# Allegro board pc065b_toplevel_06.brd (continued)
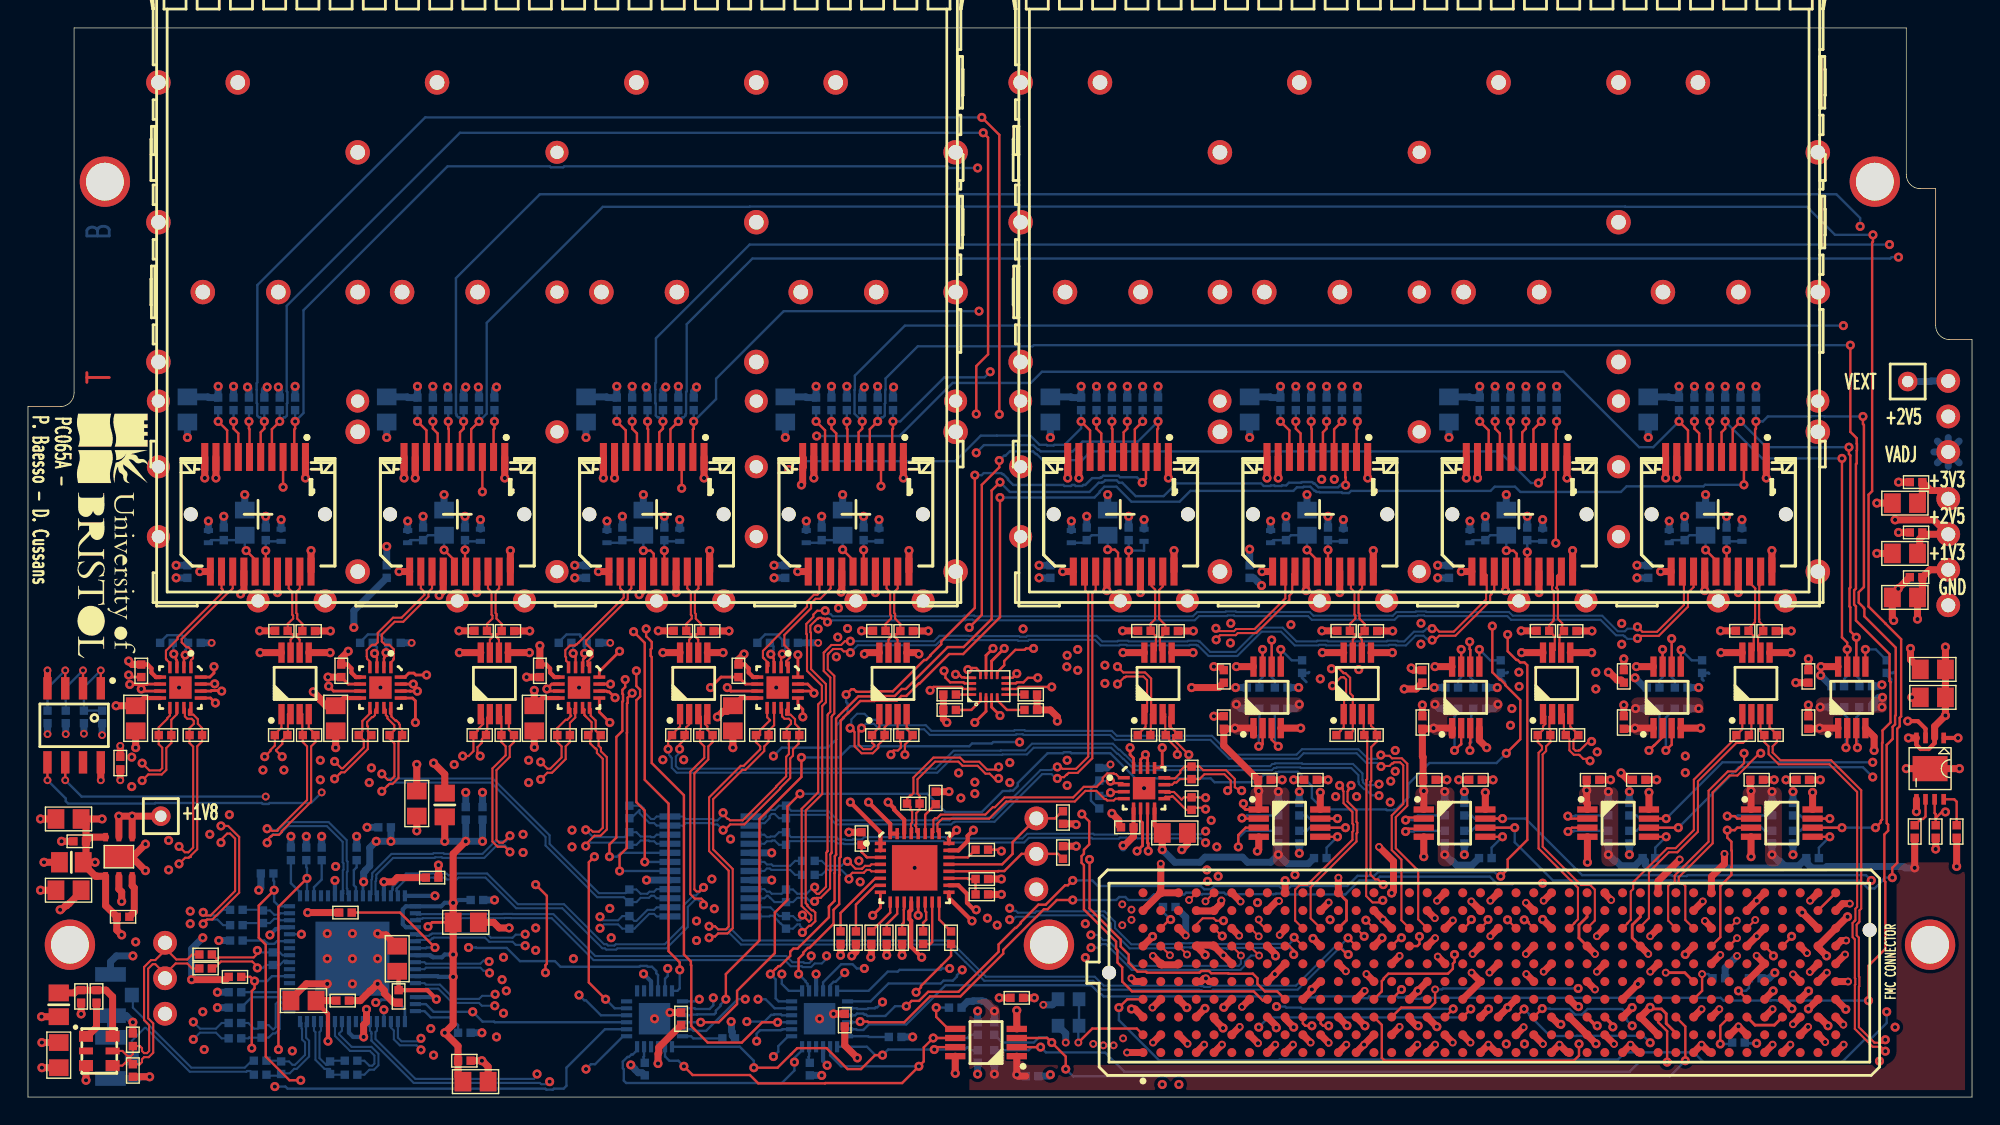
[diagram p0: board, top side]
## Nets (continued)
GND: C1.1 C2.1 C3.1 C4.1 C5.1 C6.1 C7.1 C8.1 C9.1 C10.1 C11.1 C12.1 C13.1 C14.1 C15.1 C16.1 C17.1 C18.1 C19.1 C20.1 C31.1 C32.1 C33.1 C34.1 C35.1 C36.1 C37.1 C38.1 C39.1 C40.1 C41.1 C42.1 C43.1 C44.1 C45.1 C46.1 C47.1 C48.1 C49.1 C50.1 C51.1 C52.1 C53.1 C54.1 C57.2(B<0>) C59.1 C60.1 C61.1 C62.1 C63.1 C64.1 C65.1 C66.1 C67.1 C68.1 C69.1 C70.1 C71.1 C72.1 C73.1 C74.1 C75.1 C76.1 C77.1 C78.1 C79.1 C80.1 C81.1 C82.1 C83.1 C84.1 C85.1 C86.1 C87.1 C88.1 C89.1 C90.1 C91.1 C92.1 C93.1 C94.1 C95.1 C96.1 C97.1 C98.1 C99.1 C100.1 C101.1 C102.1 C103.1 C104.1 C105.1 C106.1 C107.1 C108.1 C109.1 C110.1 C111.1 C112.2(B<0>) IC1.4(VSS) IC3.65 IC4.6 IC4.7 IC4.14 IC4.15 IC4.17 IC5.6 IC5.7 IC5.14 IC5.15 IC5.17 IC6.6 IC6.7 IC6.14 IC6.15 IC6.17 IC7.6 IC7.7 IC7.14 IC7.15 IC7.17 IC8.17 IC9.8 IC9.13 IC9.17 IC9.23 IC9.30 IC9.33 IC10.9 IC10.25 IC11.4 IC12.4 IC13.6 IC13.7 IC13.14 IC13.15 IC13.17 IC14.4 IC15.4 IC16.4 IC17.4 IC18.4 IC19.4 IC20.4 IC21.10 IC21.11 IC23.9 IC23.25 J1.1 J3.A1 J3.A4 J3.A5 J3.A8 J3.A9 J3.A12 J3.A13 J3.A16 J3.A17 J3.A20 J3.A21 J3.A24 J3.A25 J3.A28 J3.A29 J3.A32 J3.A33 J3.A36 J3.A37 J3.A40 J3.B2 J3.B3 J3.B6 J3.B7 J3.B10 J3.B11 J3.B14 J3.B15 J3.B18 J3.B19 J3.B22 J3.B23 J3.B26 J3.B27 J3.B30 J3.B31 J3.B34 J3.B35 J3.B38 J3.B39 J3.C1 J3.C4 J3.C5 J3.C8 J3.C9 J3.C12 J3.C13 J3.C16 J3.C17 J3.C20 J3.C21 J3.C24 J3.C25 J3.C28 J3.C29 J3.C32 J3.C33 J3.C36 J3.C38 J3.C40 J3.D2 J3.D3 J3.D6 J3.D7 J3.D10 J3.D13 J3.D16 J3.D19 J3.D22 J3.D25 J3.D28 J3.D37 J3.D39 J3.E1 J3.E4 J3.E5 J3.E8 J3.E11 J3.E14 J3.E17 J3.E20 J3.E23 J3.E26 J3.E29 J3.E32 J3.E35 J3.E38 J3.E40 J3.F2 J3.F3 J3.F6 J3.F9 J3.F12 J3.F15 J3.F18 J3.F21 J3.F24 J3.F27 J3.F30 J3.F33 J3.F36 J3.F39 J3.G1 J3.G4 J3.G5 J3.G8 J3.G11 J3.G14 J3.G17 J3.G20 J3.G23 J3.G26 J3.G29 J3.G32 J3.G35 J3.G38 J3.G40 J3.H3 J3.H6 J3.H9 J3.H12 J3.H15 J3.H18 J3.H21 J3.H24 J3.H27 J3.H30 J3.H33 J3.H36 J3.H39 J3.J1 J3.J4 J3.J5 J3.J8 J3.J11 J3.J14 J3.J17 J3.J20 J3.J23 J3.J26 J3.J29 J3.J32 J3.J35 J3.J38 J3.J40 J3.K2 J3.K3 J3.K6 J3.K9(K<9>) J3.K12 J3.K15 J3.K18 J3.K21 J3.K24 J3.K27 J3.K30 J3.K33 J3.K36 J3.K39 J5.1 J7.1 J7.9 J7.10 J7.11 J7.14 J7.17 J7.20(VEET3) J12.1 J12.9 J12.10 J12.11 J12.14 J12.17 J12.20(VEET3) J16.1 J16.9 J16.10 J16.11 J16.14 J16.17 J16.20(VEET3) J20.1 J20.9 J20.10 J20.11 J20.14 J20.17 J20.20(VEET3) J24.1 J24.9 J24.10 J24.11 J24.14 J24.17 J24.20(VEET3) J28.1 J28.9 J28.10 J28.11 J28.14 J28.17 J28.20(VEET3) J32.1 J32.9 J32.10 J32.11 J32.14 J32.17 J32.20(VEET3) J36.1 J36.9 J36.10 J36.11 J36.14 J36.17 J36.20(VEET3) J40.1 PX1.2 PX1.3 PX2.2 PX2.3 QZ1.3 R4.1 R5.1 R10.1 R11.1 R12.1 R18.1 R19.1 R20.1 R21.1 R30.1 R31.1 R32.1 R58.1 R83.1 R85.1 R86.1 R87.1 R88.1 R90.2(B<0>) R177.1 R179.1 R181.1 R184.1 R185.1 R202.2(B<0>) R203.2(B<0>) R204.2(B<0>) SFP1.1 SFP1.2 SFP1.3 SFP1.4 SFP1.5 SFP1.6 SFP1.7 SFP1.8 SFP1.9 SFP1.10 SFP1.11 SFP1.12 SFP1.13 SFP1.14 SFP1.15 SFP1.16 SFP1.17 SFP1.18 SFP1.19 SFP1.20 SFP1.21 SFP1.22 SFP1.23 SFP1.24 SFP1.25 SFP1.26 SFP1.27 SFP1.28 SFP1.29 SFP1.30 SFP1.31 SFP1.32 SFP1.33 SFP1.34 SFP1.35 SFP1.36 SFP1.37 SFP1.38 SFP1.39 SFP1.40 SFP1.41 SFP1.42 SFP1.43 SFP1.44 SFP1.45 SFP1.46 SFP2.1 SFP2.2 SFP2.3 SFP2.4 SFP2.5 SFP2.6 SFP2.7 SFP2.8 SFP2.9 SFP2.10 SFP2.11 SFP2.12 SFP2.13 SFP2.14 SFP2.15 SFP2.16 SFP2.17 SFP2.18 SFP2.19 SFP2.20 SFP2.21 SFP2.22 SFP2.23 SFP2.24 SFP2.25 SFP2.26 SFP2.27 SFP2.28 SFP2.29 SFP2.30 SFP2.31 SFP2.32 SFP2.33 SFP2.34 SFP2.35 SFP2.36 SFP2.37 SFP2.38 SFP2.39 SFP2.40 SFP2.41 SFP2.42 SFP2.43 SFP2.44 SFP2.45 SFP2.46 U2.2 U2.7 U3.5 U4.5 U5.5 U6.5 U7.5 U8.5 U9.5 U10.5 U11.3 U11.9
P1V3: C36.2(B<0>) C37.2(B<0>) C99.2(B<0>) C100.2(B<0>) J40.2 R22.2(B<0>) R23.2(B<0>) R34.2(B<0>) R35.2(B<0>) R42.2(B<0>) R43.2(B<0>) R50.2(B<0>) R51.2(B<0>) R99.2(B<0>) R100.2(B<0>) R107.2(B<0>) R108.2(B<0>) R115.2(B<0>) R116.2(B<0>) R123.2(B<0>) R124.2(B<0>) U11.2 U11.4(VTTSEN)
P1V8A: C16.2(B<0>) C18.2(B<0>) C19.2(B<0>) C20.2(B<0>) IC3.32 IC3.46 IC3.60 TP1.1(A<0>) U2.4 U2.5(SNS)
P2V5: C38.2(B<0>) C39.2(B<0>) C79.2(B<0>) C81.2(B<0>) C83.2(B<0>) C85.2(B<0>) C87.2(B<0>) C89.2(B<0>) C91.2(B<0>) C93.2(B<0>) C95.2(B<0>) C102.2(B<0>) C103.2(B<0>) C104.2(B<0>) C105.2(B<0>) C106.2(B<0>) C107.2(B<0>) C108.2(B<0>) C109.2(B<0>) C110.2(B<0>) C111.2(B<0>) C113.2(B<0>) C114.2(B<0>) C115.2(B<0>) C116.2(B<0>) C117.2(B<0>) IC4.5 IC4.8 IC4.13 IC4.16 IC5.5 IC5.8 IC5.13 IC5.16 IC6.5 IC6.8 IC6.13 IC6.16 IC7.5 IC7.8 IC7.13 IC7.16 IC11.1 IC12.1 IC13.5 IC13.8 IC13.13 IC13.16 IC14.1 IC15.1 IC16.1 IC17.1 IC18.1 IC19.1 IC20.1 IC21.3 J39.2 J40.3 R131.2(B<0>) R132.2(B<0>) R133.1 R136.2(B<0>) R137.2(B<0>) R138.1 R141.2(B<0>) R142.2(B<0>) R143.1 R146.2(B<0>) R147.2(B<0>) R148.1 R151.2(B<0>) R152.2(B<0>) R153.1 R156.2(B<0>) R157.2(B<0>) R158.1 R161.2(B<0>) R162.2(B<0>) R163.1 R166.2(B<0>) R167.2(B<0>) R168.1 R171.2(B<0>) R172.2(B<0>) R173.1 R183.1
P3V3: C1.2(B<0>) C2.2(B<0>) C3.2(B<0>) C4.2(B<0>) C6.2(B<0>) C31.2(B<0>) C32.2(B<0>) C40.2(B<0>) C41.2(B<0>) C45.2(B<0>) C46.2(B<0>) C50.2(B<0>) C51.2(B<0>) C59.2(B<0>) C60.2(B<0>) C64.2(B<0>) C65.2(B<0>) C69.2(B<0>) C70.2(B<0>) C74.2(B<0>) C75.2(B<0>) C80.2(B<0>) C82.2(B<0>) C84.2(B<0>) C86.2(B<0>) C88.2(B<0>) C90.2(B<0>) C92.2(B<0>) C94.2(B<0>) C96.2(B<0>) C97.2(B<0>) C98.2(B<0>) C112.1 IC1.8 IC8.5 IC8.20 IC9.1 IC9.2 IC9.12 IC9.18 IC9.24 IC9.31 IC9.32 IC10.21 IC11.8(VCCB) IC12.8(VCCB) IC14.8(VCCB) IC15.8(VCCB) IC16.8(VCCB) IC17.8(VCCB) IC18.8(VCCB) IC19.8(VCCB) IC20.8(VCCB) IC21.2 IC23.21 J3.C39 J3.D36 J3.D38 J3.D40 J40.4(A<3>) L1.1 L2.1 L3.1 L4.1 L5.2(B<0>) L6.1 L7.2(B<0>) L8.1 L9.2(B<0>) L10.1 L11.2(B<0>) L12.1 L13.2(B<0>) L14.1 L15.2(B<0>) L16.1 L17.2(B<0>) L18.1 L19.2(B<0>) R24.1 R25.1 R26.2(B<0>) R27.2(B<0>) R28.2(B<0>) R29.2(B<0>) R33.1 R36.1 R37.1 R38.2(B<0>) R39.2(B<0>) R40.2(B<0>) R41.2(B<0>) R44.1 R45.1 R46.2(B<0>) R47.2(B<0>) R48.2(B<0>) R49.2(B<0>) R52.1 R53.1 R54.2(B<0>) R55.2(B<0>) R56.2(B<0>) R57.2(B<0>) R66.2(B<0>) R82.1 R84.1 R93.2(B<0>) R94.2(B<0>) R101.1 R102.1 R103.2(B<0>) R104.2(B<0>) R105.2(B<0>) R106.2(B<0>) R109.1 R110.1 R111.2(B<0>) R112.2(B<0>) R113.2(B<0>) R114.2(B<0>) R117.1 R118.1 R119.2(B<0>) R120.2(B<0>) R121.2(B<0>) R122.2(B<0>) R125.1 R126.1 R127.2(B<0>) R128.2(B<0>) R129.2(B<0>) R130.2(B<0>) R134.2(B<0>) R135.2(B<0>) R139.2(B<0>) R140.2(B<0>) R144.2(B<0>) R145.2(B<0>) R149.2(B<0>) R150.2(B<0>) R154.2(B<0>) R155.2(B<0>) R159.2(B<0>) R160.2(B<0>) R164.2(B<0>) R165.2(B<0>) R169.2(B<0>) R170.2(B<0>) R174.2(B<0>) R175.2(B<0>) R176.2(B<0>) R178.2(B<0>) R180.1 R182.1 R201.2(B<0>) U3.8 U4.8 U5.8 U6.8 U7.8 U8.8 U9.8 U10.8 U11.1 U11.5
P3V3A: C5.2(B<0>) C8.2(B<0>) IC3.13 L1.2(B<0>) R2.1 R6.1 R7.1 R8.1 R9.1 U2.1 U2.6
P3V3AUX: J3.D32 R66.1
P3V3B: C7.2(B<0>) C9.2(B<0>) C11.2(B<0>) C12.2(B<0>) C13.2(B<0>) C14.2(B<0>) C15.2(B<0>) C17.2(B<0>) IC3.22 IC3.26 IC3.29 IC3.33 IC3.36 IC3.40 IC3.43 IC3.49 IC3.52 IC3.57 L2.2(B<0>)
P3V3C: C10.2(B<0>) L3.2(B<0>) QZ1.6 R3.1
P12V: J3.C35 J3.C37
CDR_CLK_N: IC9.25 IC13.4
CDR_CLK_P: IC9.26 IC13.1
CDR_D_N: IC9.28 J3.G7 R92.2(B<0>)
CDR_D_P: IC9.29 J3.G6 R92.1
CDR_IN_N: C55.2(B<0>) IC9.5
CDR_IN_P: C56.2(B<0>) IC9.4
CDR_LOL: IC23.4 R91.2(B<0>)
CDR_LOS: IC23.5 R89.1
CLK_BIDIR_N<1>: J3.J3
CLK_BIDIR_P<1>: J3.J2
CLK_DIR: J3.B1 R33.2(B<0>) R58.2(B<0>)
CLK_IN_N<0>: C22.2(B<0>) PX2.1(A)
CLK_IN_N<1>: C24.2(B<0>) J3.K5
CLK_IN_N<2>: C26.2(B<0>) IC13.9 R98.1
CLK_IN_N<3>: C28.2(B<0>) IC3.58
CLK_IN_P<0>: C21.2(B<0>) PX1.1(A)
CLK_IN_P<1>: C23.2(B<0>) J3.K4
CLK_IN_P<2>: C25.2(B<0>) IC13.10 R98.2(B<0>)
CLK_IN_P<3>: C27.2(B<0>) IC3.59
CLK_INTR_B: IC3.12 IC23.2
CLK_LOL_B: IC3.47 IC23.3
CLK_MAIN_N<0>: IC3.23 R186.2(B<0>) U3.4
CLK_MAIN_N<1>: IC3.27 R188.2(B<0>) U4.4
CLK_MAIN_N<2>: IC3.30 R190.2(B<0>) U5.4
CLK_MAIN_N<3>: IC3.34 R192.2(B<0>) U6.4
CLK_MAIN_N<4>: IC3.37 R200.2(B<0>) U10.4
CLK_MAIN_N<5>: IC3.41 R198.2(B<0>) U9.4
CLK_MAIN_N<6>: IC3.44 R196.2(B<0>) U8.4
CLK_MAIN_N<7>: IC3.50 R194.2(B<0>) U7.4
CLK_MAIN_N<8>: IC3.53 J3.G3
CLK_MAIN_P<0>: IC3.24 R186.1 U3.3
CLK_MAIN_P<1>: IC3.28 R188.1 U4.3
CLK_MAIN_P<2>: IC3.31 R190.1 U5.3
CLK_MAIN_P<3>: IC3.35 R192.1 U6.3
CLK_MAIN_P<4>: IC3.38 R200.1 U10.3
CLK_MAIN_P<5>: IC3.42 R198.1 U9.3
CLK_MAIN_P<6>: IC3.45 R196.1 U8.3
CLK_MAIN_P<7>: IC3.51 R194.1 U7.3
CLK_MAIN_P<8>: IC3.54 J3.G2
CLK_RST_B: IC3.6 IC23.1 R9.2(B<0>)
CLK_SI_N<0>: C22.1 IC3.64 R13.2(B<0>)
CLK_SI_N<1>: C24.1 IC3.2 R14.2(B<0>)
CLK_SI_N<2>: C26.1 IC3.15 R15.2(B<0>)
CLK_SI_N<3>: C28.1 IC3.62 R16.2(B<0>)
CLK_SI_P<0>: C21.1 IC3.63 R13.1
CLK_SI_P<1>: C23.1 IC3.1 R14.1
CLK_SI_P<2>: C25.1 IC3.14 R15.1
CLK_SI_P<3>: C27.1 IC3.61 R16.1
DP_C2M_N<0>: J3.C3
DP_C2M_N<1>: J3.A23
DP_C2M_N<2>: J3.A27
DP_C2M_N<3>: J3.A31
DP_C2M_N<4>: J3.A35
DP_C2M_N<5>: J3.A39
DP_C2M_N<6>: J3.B37
DP_C2M_N<7>: J3.B33
DP_C2M_N<8>: J3.B29
DP_C2M_N<9>: J3.B25
DP_C2M_P<0>: J3.C2
DP_C2M_P<1>: J3.A22
DP_C2M_P<2>: J3.A26
DP_C2M_P<3>: J3.A30
DP_C2M_P<4>: J3.A34
DP_C2M_P<5>: J3.A38
DP_C2M_P<6>: J3.B36
DP_C2M_P<7>: J3.B32
DP_C2M_P<8>: J3.B28
DP_C2M_P<9>: J3.B24
DP_M2C_N<0>: J3.C7
DP_M2C_N<1>: J3.A3
DP_M2C_N<2>: J3.A7
DP_M2C_N<3>: J3.A11
DP_M2C_N<4>: J3.A15
DP_M2C_N<5>: J3.A19
DP_M2C_N<6>: J3.B17
DP_M2C_N<7>: J3.B13
DP_M2C_N<8>: J3.B9
DP_M2C_N<9>: J3.B5
DP_M2C_P<0>: J3.C6
DP_M2C_P<1>: J3.A2
DP_M2C_P<2>: J3.A6
DP_M2C_P<3>: J3.A10
DP_M2C_P<4>: J3.A14
DP_M2C_P<5>: J3.A18
DP_M2C_P<6>: J3.B16
DP_M2C_P<7>: J3.B12
DP_M2C_P<8>: J3.B8
DP_M2C_P<9>: J3.B4
FMC_LA_N<2>: J3.H8 R1.2(B<0>) U3.2
FMC_LA_N<3>: IC4.9 J3.G10 R61.1
FMC_LA_N<4>: J3.H11 R187.2(B<0>) U4.2
FMC_LA_N<5>: J3.D12
FMC_LA_N<6>: IC12.2 J3.C11 R137.1
FMC_LA_N<7>: J3.H14 R189.2(B<0>) U5.2
FMC_LA_N<8>: IC7.9 J3.G13 R73.1
FMC_LA_N<9>: IC18.2 J3.D15 R162.1
FMC_LA_N<10>: IC15.2 J3.C15 R147.1
FMC_LA_N<11>: J3.H17 R191.2(B<0>) U6.2
FMC_LA_N<12>: IC14.2 J3.G16 R142.1
FMC_LA_N<13>: J3.D18
FMC_LA_N<14>: IC17.2 J3.C19 R157.1
FMC_LA_N<15>: J3.H20 R199.2(B<0>) U10.2
FMC_LA_N<16>: J3.G19
FMC_LA_N<17>: J3.D21
FMC_LA_N<18>: IC19.2 J3.C23 R167.1
FMC_LA_N<19>: J3.H23 R197.2(B<0>) U9.2
FMC_LA_N<20>: J3.G22
FMC_LA_N<21>: J3.H26 R195.2(B<0>) U8.2
FMC_LA_N<22>: J3.G25
FMC_LA_N<23>: J3.D24
FMC_LA_N<24>: J3.H29 R193.2(B<0>) U7.2
FMC_LA_N<25>: J3.G28
FMC_LA_N<26>: J3.D27
FMC_LA_N<27>: IC21.8 J3.C27
FMC_LA_N<28>: IC5.9 J3.H32 R65.1
FMC_LA_N<29>: J3.G31
FMC_LA_N<30>: IC6.9 J3.H35 R69.1
FMC_LA_N<31>: IC16.2 J3.G34 R152.1
FMC_LA_N<32>: J3.H38
FMC_LA_N<33>: IC20.2 J3.G37 R172.1
FMC_LA_P<1>: IC21.7 J3.D8
FMC_LA_P<2>: J3.H7 R1.1 U3.1
FMC_LA_P<3>: IC4.10 J3.G9 R61.2(B<0>)
FMC_LA_P<4>: J3.H10 R187.1 U4.1
FMC_LA_P<5>: J3.D11
FMC_LA_P<6>: IC12.3 J3.C10 R136.1
FMC_LA_P<7>: J3.H13 R189.1 U5.1
FMC_LA_P<8>: IC7.10 J3.G12 R73.2(B<0>)
FMC_LA_P<9>: IC18.3 J3.D14 R161.1
FMC_LA_P<10>: IC15.3 J3.C14 R146.1
FMC_LA_P<11>: J3.H16 R191.1 U6.1
FMC_LA_P<12>: IC14.3 J3.G15 R141.1
FMC_LA_P<13>: J3.D17
FMC_LA_P<14>: IC17.3 J3.C18 R156.1
FMC_LA_P<15>: J3.H19 R199.1 U10.1
FMC_LA_P<16>: J3.G18
FMC_LA_P<17>: J3.D20
FMC_LA_P<18>: IC19.3 J3.C22 R166.1
FMC_LA_P<19>: J3.H22 R197.1 U9.1
FMC_LA_P<20>: J3.G21
FMC_LA_P<21>: J3.H25 R195.1 U8.1
FMC_LA_P<22>: J3.G24
FMC_LA_P<23>: J3.D23
FMC_LA_P<24>: J3.H28 R193.1 U7.1
FMC_LA_P<25>: J3.G27
FMC_LA_P<26>: J3.D26
FMC_LA_P<27>: IC21.6 J3.C26
FMC_LA_P<28>: IC5.10 J3.H31 R65.2(B<0>)
FMC_LA_P<29>: J3.G30
FMC_LA_P<30>: IC6.10 J3.H34 R69.2(B<0>)
FMC_LA_P<31>: IC16.3 J3.G33 R151.1
FMC_LA_P<32>: J3.H37
FMC_LA_P<33>: IC20.3 J3.G36 R171.1
GBTCLK_M2C_N<0>: J3.D5
GBTCLK_M2C_N<1>: J3.B21
GBTCLK_M2C_P<0>: J3.D4
GBTCLK_M2C_P<1>: J3.B20
HA_N<0>: J3.F5
HA_N<1>: J3.E3
HA_N<2>: J3.K8
HA_N<3>: J3.J7
HA_N<4>: J3.F8
HA_N<5>: J3.E7
HA_N<6>: J3.K11
HA_N<7>: J3.J10
HA_N<8>: J3.F11
HA_N<9>: J3.E10
HA_N<10>: J3.K14
HA_N<11>: J3.J13
HA_N<12>: J3.F14
HA_N<13>: J3.E13
HA_N<14>: J3.J16
HA_N<15>: J3.F17
HA_N<16>: J3.E16
HA_N<17>: J3.K17
HA_N<18>: J3.J19
HA_N<19>: J3.F20
HA_N<20>: J3.E19
HA_N<21>: J3.K20
HA_N<22>: J3.J22
HA_N<23>: J3.K23
HA_P<0>: J3.F4
HA_P<1>: J3.E2
HA_P<2>: J3.K7
HA_P<3>: J3.J6
HA_P<4>: J3.F7
HA_P<5>: J3.E6
HA_P<6>: J3.K10
HA_P<7>: J3.J9
HA_P<8>: J3.F10
HA_P<9>: J3.E9
HA_P<10>: J3.K13
HA_P<11>: J3.J12
HA_P<12>: J3.F13
HA_P<13>: J3.E12
HA_P<14>: J3.J15
HA_P<15>: J3.F16
HA_P<16>: J3.E15
HA_P<17>: J3.K16
HA_P<18>: J3.J18
HA_P<19>: J3.F19
HA_P<20>: J3.E18
HA_P<21>: J3.K19
HA_P<22>: J3.J21
HA_P<23>: J3.K22
HB_N<0>: J3.K26
HB_N<1>: J3.J25
HB_N<2>: J3.F23
HB_N<3>: J3.E22
HB_N<4>: J3.F26
HB_N<5>: J3.E25
HB_N<6>: J3.K29
HB_N<7>: J3.J28
HB_N<8>: J3.F29
HB_N<9>: J3.E28
HB_N<10>: J3.K32
HB_N<11>: J3.J31
HB_N<12>: J3.F32
HB_N<13>: J3.E31
HB_N<14>: J3.K35
HB_N<15>: J3.J34
HB_N<16>: J3.F35
HB_N<17>: J3.K38
HB_N<18>: J3.J37
HB_N<19>: J3.E34
HB_N<20>: J3.F38
HB_N<21>: J3.E37
HB_P<0>: J3.K25
HB_P<1>: J3.J24
HB_P<2>: J3.F22
HB_P<3>: J3.E21
HB_P<4>: J3.F25
HB_P<5>: J3.E24
HB_P<6>: J3.K28
HB_P<7>: J3.J27
HB_P<8>: J3.F28
HB_P<9>: J3.E27
HB_P<10>: J3.K31
HB_P<11>: J3.J30
HB_P<12>: J3.F31
HB_P<13>: J3.E30
HB_P<14>: J3.K34
HB_P<15>: J3.J33
HB_P<16>: J3.F34
HB_P<17>: J3.K37
HB_P<18>: J3.J36
HB_P<19>: J3.E33
HB_P<20>: J3.F37
HB_P<21>: J3.E36
I2C_SCL: IC1.6 IC3.16 IC9.20 IC10.19 IC11.7 IC23.19 J1.2 R7.2(B<0>) R94.1 R135.1
I2C_SCL_CVCC: IC11.2 J3.C30 R132.1
I2C_SDA: IC1.5 IC3.18 IC9.21 IC10.20(SDA) IC11.6 IC23.20(SDA) J1.3(A<2>) R8.2(B<0>) R93.1 R134.1
I2C_SDA_CVCC: IC11.3 J3.C31 R131.1
MOD_ABS: J7.6 R26.1
MOD_ABS_1: J12.6 R38.1
MOD_ABS_2: J16.6 R46.1
MOD_ABS_3: J20.6 R54.1
MOD_ABS_4: J24.6 R103.1
MOD_ABS_5: J28.6 R111.1
MOD_ABS_6: J32.6 R119.1
MOD_ABS_7: J36.6 R127.1
MUX_OUT_N: C55.1 IC8.19
MUX_OUT_P: C56.1 IC8.18
MUX_SEL<0>: IC8.6 IC21.15(1B<0>)
MUX_SEL<1>: IC8.7 IC21.14
MUX_SEL<2>: IC8.8 IC21.13
OSC_N: C30.2(B<0>) J5.3(A<2>) QZ1.5 R4.2(B<0>)
OSC_P: C29.2(B<0>) J5.2 QZ1.4(OUTP) R5.2(B<0>)
PG_M2C: J3.F1
PGOOD_C2M: J3.D1 R182.2(B<0>) U11.7
PRSNT_L: J3.H2 R30.2(B<0>)
RD_BUF_N<0>: IC4.4 J7.12
RD_BUF_N<1>: IC5.4 J12.12
RD_BUF_N<2>: IC6.4 J16.12
RD_BUF_N<3>: IC7.4 J20.12
RD_BUF_P<0>: IC4.1 J7.13
RD_BUF_P<1>: IC5.1 J12.13
RD_BUF_P<2>: IC6.1 J16.13
RD_BUF_P<3>: IC7.1 J20.13
RD_MUX_N<0>: IC4.11 IC8.2 R60.1 R74.2(B<0>)
RD_MUX_N<1>: IC5.11 IC8.4 R64.1 R75.2(B<0>)
RD_MUX_N<2>: IC6.11 IC8.10 R68.1 R76.2(B<0>)
RD_MUX_N<3>: IC7.11 IC8.12 R72.1 R77.2(B<0>)
RD_MUX_N<4>: IC8.13 J36.12 R78.2(B<0>)
RD_MUX_N<5>: IC8.15 J32.12 R79.2(B<0>)
RD_MUX_N<6>: IC8.21 J28.12 R80.2(B<0>)
RD_MUX_N<7>: IC8.23 J24.12 R81.2(B<0>)
RD_MUX_P<0>: IC4.12 IC8.1(PCLK<0>) R60.2(B<0>) R74.1
RD_MUX_P<1>: IC5.12 IC8.3 R64.2(B<0>) R75.1
RD_MUX_P<2>: IC6.12 IC8.9 R68.2(B<0>) R76.1
RD_MUX_P<3>: IC7.12 IC8.11 R72.2(B<0>) R77.1
RD_MUX_P<4>: IC8.14 J36.13 R78.1
RD_MUX_P<5>: IC8.16 J32.13 R79.1
RD_MUX_P<6>: IC8.22 J28.13 R80.1
RD_MUX_P<7>: IC8.24 J24.13 R81.1
REC_CLK_FPGA_N: IC13.11 J3.H5 R97.1
REC_CLK_FPGA_P: IC13.12 J3.H4 R97.2(B<0>)
RST_I2C_B: IC10.24 IC21.12 IC23.24
RST_I2C_B_CVCC: IC21.9 J3.D9
SFP_FAULT<0>: IC10.10 J7.2 R24.2(B<0>)
SFP_FAULT<1>: IC10.11 J12.2 R36.2(B<0>)
SFP_FAULT<2>: IC10.12 J16.2 R44.2(B<0>)
SFP_FAULT<3>: IC10.13 J20.2 R52.2(B<0>)
SFP_FAULT<4>: IC10.14 J36.2 R125.2(B<0>)
SFP_FAULT<5>: IC10.15 J32.2 R117.2(B<0>)
SFP_FAULT<6>: IC10.16 J28.2 R109.2(B<0>)
SFP_FAULT<7>: IC10.17 J24.2 R101.2(B<0>)
SFP_I2C_SCL<0>: IC12.7 J7.5 R27.1 R140.1
SFP_I2C_SCL<1>: IC14.7 J12.5 R39.1 R145.1
SFP_I2C_SCL<2>: IC15.7 J16.5 R47.1 R150.1
SFP_I2C_SCL<3>: IC16.7 J20.5 R55.1 R155.1
SFP_I2C_SCL<4>: IC17.7 J36.5 R128.1 R160.1
SFP_I2C_SCL<5>: IC18.7 J32.5 R120.1 R165.1
SFP_I2C_SCL<6>: IC19.7 J28.5 R112.1 R170.1
SFP_I2C_SCL<7>: IC20.7 J24.5 R104.1 R175.1
SFP_I2C_SDA<0>: IC12.6 J7.4 R28.1 R139.1
SFP_I2C_SDA<1>: IC14.6 J12.4 R40.1 R144.1
SFP_I2C_SDA<2>: IC15.6 J16.4 R48.1 R149.1
SFP_I2C_SDA<3>: IC16.6 J20.4 R56.1 R154.1
SFP_I2C_SDA<4>: IC17.6 J36.4 R129.1 R159.1
SFP_I2C_SDA<5>: IC18.6 J32.4 R121.1 R164.1
SFP_I2C_SDA<6>: IC19.6 J28.4 R113.1 R169.1
SFP_I2C_SDA<7>: IC20.6 J24.4 R105.1 R174.1
SFP_LOS<0>: IC23.10 J7.8 R25.2(B<0>)
SFP_LOS<1>: IC23.11 J12.8 R37.2(B<0>)
SFP_LOS<2>: IC23.12 J16.8 R45.2(B<0>)
SFP_LOS<3>: IC23.13 J20.8 R53.2(B<0>)
SFP_LOS<4>: IC23.14 J36.8 R126.2(B<0>)
SFP_LOS<5>: IC23.15 J32.8 R118.2(B<0>)
SFP_LOS<6>: IC23.16 J28.8 R110.2(B<0>)
SFP_LOS<7>: IC23.17 J24.8 R102.2(B<0>)
SFP_TD_N: J7.19 R23.1 U3.6
SFP_TD_N_1: J12.19 R35.1 U4.6
SFP_TD_N_2: J16.19 R43.1 U5.6
SFP_TD_N_3: J20.19 R51.1 U6.6
SFP_TD_N_4: J24.19 R100.1 U7.6
SFP_TD_N_5: J28.19 R108.1 U8.6
SFP_TD_N_6: J32.19 R116.1 U9.6
SFP_TD_N_7: J36.19 R124.1 U10.6
SFP_TD_P: J7.18 R22.1 U3.7(Q_P)
SFP_TD_P_1: J12.18 R34.1 U4.7(Q_P)
SFP_TD_P_2: J16.18 R42.1 U5.7(Q_P)
SFP_TD_P_3: J20.18 R50.1 U6.7(Q_P)
SFP_TD_P_4: J24.18 R99.1 U7.7(Q_P)
SFP_TD_P_5: J28.18 R107.1 U8.7(Q_P)
SFP_TD_P_6: J32.18 R115.1 U9.7(Q_P)
SFP_TD_P_7: J36.18 R123.1 U10.7(Q_P)
SFP_TX_DISABLE<0>: IC10.1 J7.3
SFP_TX_DISABLE<1>: IC10.2 J12.3
SFP_TX_DISABLE<2>: IC10.3 J16.3
SFP_TX_DISABLE<3>: IC10.4 J20.3
SFP_TX_DISABLE<4>: IC10.5 J36.3
SFP_TX_DISABLE<5>: IC10.6 J32.3
SFP_TX_DISABLE<6>: IC10.7 J28.3
SFP_TX_DISABLE<7>: IC10.8 J24.3
TCK: J3.D29
TDI: J3.D30
TDO: J3.D31
TMS: J3.D33
TRST_L: J3.D34
UNNAMED_1_CAPCERSMDCL2_I17_A: C113.1 IC4.2(VT) R59.1
UNNAMED_1_CAPCERSMDCL2_I17_A_1: C114.1 IC5.2(VT) R63.1
UNNAMED_1_CAPCERSMDCL2_I17_A_2: C115.1 IC6.2(VT) R67.1
UNNAMED_1_CAPCERSMDCL2_I17_A_3: C116.1 IC7.2(VT) R71.1
UNNAMED_1_CAPCERSMDCL2_I17_A_4: C117.1 IC13.2(VT) R96.1
UNNAMED_1_CAPCERSMDCL2_I31_B: C34.2(B<0>) C35.2(B<0>) J7.15 L5.1
UNNAMED_1_CAPCERSMDCL2_I31_B_1: C43.2(B<0>) C44.2(B<0>) J12.15 L7.1
UNNAMED_1_CAPCERSMDCL2_I31_B_2: C48.2(B<0>) C49.2(B<0>) J16.15 L9.1
UNNAMED_1_CAPCERSMDCL2_I31_B_3: C53.2(B<0>) C54.2(B<0>) J20.15 L11.1
UNNAMED_1_CAPCERSMDCL2_I31_B_4: C62.2(B<0>) C63.2(B<0>) J24.15 L13.1
UNNAMED_1_CAPCERSMDCL2_I31_B_5: C67.2(B<0>) C68.2(B<0>) J28.15 L15.1
UNNAMED_1_CAPCERSMDCL2_I31_B_6: C72.2(B<0>) C73.2(B<0>) J32.15 L17.1
UNNAMED_1_CAPCERSMDCL2_I31_B_7: C77.2(B<0>) C78.2(B<0>) J36.15 L19.1
UNNAMED_1_CAPCERSMDCL2_I35_B: C33.2(B<0>) J7.16 L4.2(B<0>)
UNNAMED_1_CAPCERSMDCL2_I35_B_1: C42.2(B<0>) J12.16 L6.2(B<0>)
UNNAMED_1_CAPCERSMDCL2_I35_B_2: C47.2(B<0>) J16.16 L8.2(B<0>)
UNNAMED_1_CAPCERSMDCL2_I35_B_3: C52.2(B<0>) J20.16 L10.2(B<0>)
UNNAMED_1_CAPCERSMDCL2_I35_B_4: C61.2(B<0>) J24.16 L12.2(B<0>)
UNNAMED_1_CAPCERSMDCL2_I35_B_5: C66.2(B<0>) J28.16 L14.2(B<0>)
UNNAMED_1_CAPCERSMDCL2_I35_B_6: C71.2(B<0>) J32.16 L16.2(B<0>)
UNNAMED_1_CAPCERSMDCL2_I35_B_7: C76.2(B<0>) J36.16 L18.2(B<0>)
UNNAMED_1_CON20PSFP_I19_RATES_1: J12.7 R41.1
UNNAMED_1_CON20PSFP_I19_RATES_2: J16.7 R49.1
UNNAMED_1_CON20PSFP_I19_RATES_3: J20.7 R57.1
UNNAMED_1_CON20PSFP_I19_RATES_4: J24.7 R106.1
UNNAMED_1_CON20PSFP_I19_RATES_5: J28.7 R114.1
UNNAMED_1_CON20PSFP_I19_RATES_6: J32.7 R122.1
UNNAMED_1_CON20PSFP_I19_RATES_7: J36.7 R130.1
UNNAMED_1_CON20PSFP_I19_RATESEL: J7.7 R29.1
UNNAMED_1_RSMD0402_I7_B: IC11.5 R133.2(B<0>)
UNNAMED_1_RSMD0402_I7_B_1: IC12.5 R138.2(B<0>)
UNNAMED_1_RSMD0402_I7_B_2: IC14.5 R143.2(B<0>)
UNNAMED_1_RSMD0402_I7_B_3: IC15.5 R148.2(B<0>)
UNNAMED_1_RSMD0402_I7_B_4: IC16.5 R153.2(B<0>)
UNNAMED_1_RSMD0402_I7_B_5: IC17.5 R158.2(B<0>)
UNNAMED_1_RSMD0402_I7_B_6: IC18.5 R163.2(B<0>)
UNNAMED_1_RSMD0402_I7_B_7: IC19.5 R168.2(B<0>)
UNNAMED_1_RSMD0402_I7_B_8: IC20.5 R173.2(B<0>)
UNNAMED_1_RSMD0402_I10_B: IC4.3 R59.2(B<0>)
UNNAMED_1_RSMD0402_I10_B_1: IC5.3 R63.2(B<0>)
UNNAMED_1_RSMD0402_I10_B_2: IC6.3 R67.2(B<0>)
UNNAMED_1_RSMD0402_I10_B_3: IC7.3 R71.2(B<0>)
UNNAMED_1_RSMD0402_I10_B_4: IC13.3 R96.2(B<0>)
UNNAMED_4_FMCHPCGENERIC_I1_GA0: J3.C34 R184.2(B<0>)
UNNAMED_4_FMCHPCGENERIC_I1_GA1: J3.D35 R185.2(B<0>)
UNNAMED_5_24AA025E48_I9_A0: IC1.1 R201.1 R202.1
UNNAMED_5_24AA025E48_I9_A1: IC1.2 R204.1
UNNAMED_5_24AA025E48_I9_A2: IC1.3 R203.1
UNNAMED_7_CAPCERSMDCL2_I28_B: C101.2(B<0>) U11.8
UNNAMED_7_CON3P_I14_A: J39.1 TP10.1(A<0>)
UNNAMED_7_MP20075REG_I17_REF: R183.2(B<0>) U11.6
UNNAMED_8_DSC1123CI5_I74_EN: QZ1.1 R3.2(B<0>)
UNNAMED_8_LP38692SD_I104_EN: R2.2(B<0>) U2.3
UNNAMED_8_RSMD0402_I25_B: IC3.3 R20.2(B<0>)
UNNAMED_8_RSMD0402_I26_B: IC3.4 R21.2(B<0>)
UNNAMED_8_RSMD0402_I28_B: IC3.48 R18.2(B<0>)
UNNAMED_8_RSMD0402_I29_B: IC3.25 R19.2(B<0>)
UNNAMED_8_RSMD0402_I30_B: IC3.39 R6.2(B<0>)
UNNAMED_8_RSMD0402_I66_B: IC3.11 R10.2(B<0>)
UNNAMED_8_RSMD0402_I67_B: IC3.17 R11.2(B<0>)
UNNAMED_8_RSMD0402_I68_B: IC3.19 R12.2(B<0>)
UNNAMED_10_ADN2814_I34_CF1: C58.1 IC9.15
UNNAMED_10_ADN2814_I34_CF2: C58.2(B<0>) IC9.14
UNNAMED_10_ADN2814_I34_LOL: IC9.16 R91.1
UNNAMED_10_ADN2814_I34_LOS: IC9.22 R89.2(B<0>)
UNNAMED_10_ADN2814_I34_REFCLKN: IC9.11 R85.2(B<0>)
UNNAMED_10_ADN2814_I34_REFCLKP: IC9.10 R84.2(B<0>)
UNNAMED_10_ADN2814_I34_SADDRS: IC9.19 R82.2(B<0>) R83.2(B<0>)
UNNAMED_10_ADN2814_I34_SLICEN: IC9.7 R87.2(B<0>)
UNNAMED_10_ADN2814_I34_SLICEP: IC9.6 R86.2(B<0>)
UNNAMED_10_ADN2814_I34_SQUELCH: IC9.27 R90.1
UNNAMED_10_ADN2814_I34_THRADJ: IC9.9 R88.2(B<0>)
UNNAMED_10_ADN2814_I34_VREF: C57.1 IC9.3(VREF)
UNNAMED_13_74AVC4T245BRIS_I75_1: IC21.4 R176.1
UNNAMED_13_74AVC4T245BRIS_I75_2: IC21.1 R177.2(B<0>)
UNNAMED_13_74AVC4T245BRIS_I76_1: IC21.16 R179.2(B<0>)
UNNAMED_13_74AVC4T245BRIS_I76_2: IC21.5 R178.1
UNNAMED_13_RSMD0402_I6_B: IC10.18 R31.2(B<0>)
UNNAMED_13_RSMD0402_I8_B: IC10.23 R32.2(B<0>)
UNNAMED_13_RSMD0402_I45_B: IC23.18 R180.2(B<0>)
UNNAMED_13_RSMD0402_I46_B: IC23.23 R181.2(B<0>)
VADJ: J3.E39 J3.F40 J3.G39 J3.H40 J39.3(A<2>)
VIO_B_M2C: J3.J39 J3.K40
VREF_A_M2C: J3.H1
VREF_B_M2C: J3.K1
XA: C29.1 IC3.8 R17.1
XB: C30.1 IC3.9(XB) R17.2(B<0>)

Pads without a net: IC1 7; IC3 5 7 10 20 21 55 56; IC10 22; IC23 6 7 8 22; J3 B40; NOREF#2 1; NOREF#3 1; NOREF#4 1; NOREF#5 1; NOREF#7 1; QZ1 2; SFP1 NC; SFP2 NC

## Via types
v1: diameter 0.65, hole 0.3, TOP to BOTTOM, 1011 vias
v2: diameter 0.56, hole 0.3, TOP to BOTTOM, 145 vias
